# Altium PCB USB3.0HUB.PCBDOC (part 2 of 2)
Units mil, origin at the board's own origin, x right, y up, seen from the top; angles counter-clockwise.
Board outline 3976.38 x 2834.65 mil, 2 copper layers (Top Layer, Bottom Layer); 103 components, 87 nets, 409 pads, 1014 vias.
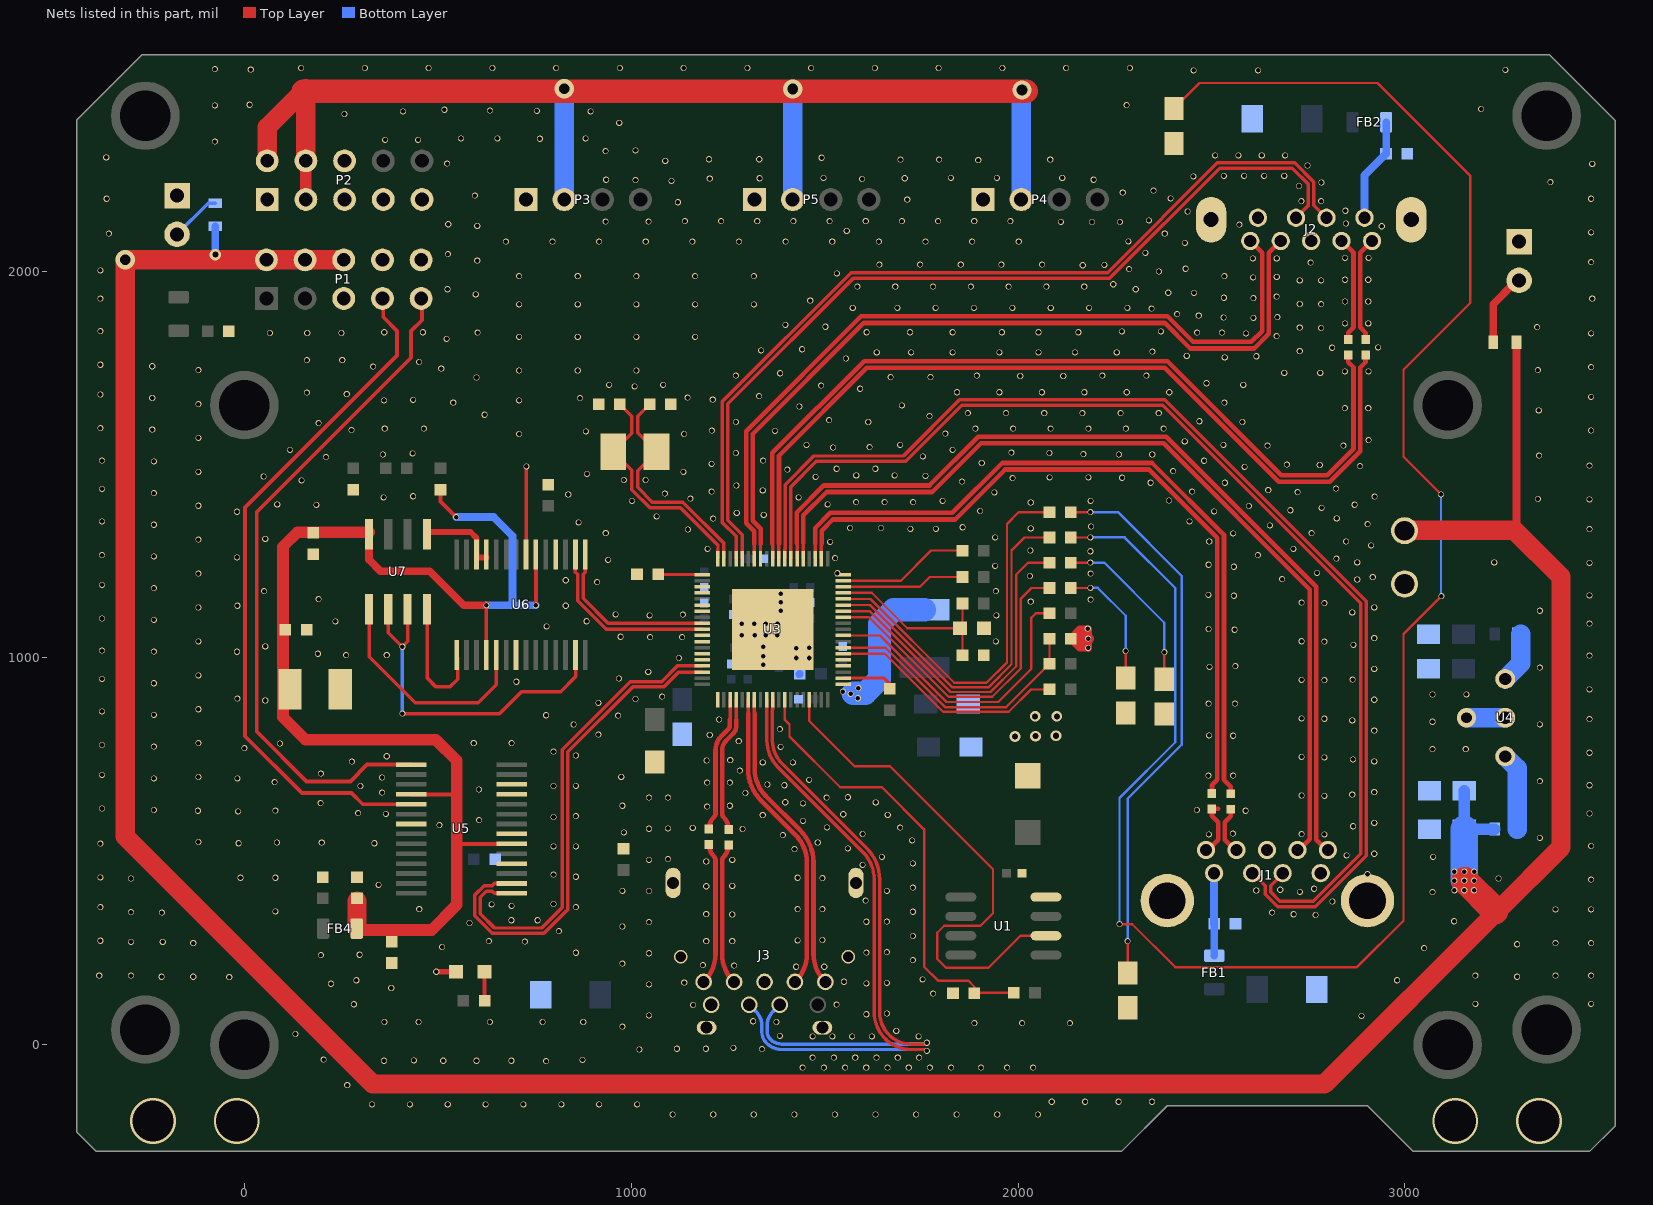
[diagram p2: the nets of this part, all layers, seen from the top]

## Via types
v1: diameter 15.75, hole 11.81, Top Layer to Bottom Layer, 991 vias
v2: diameter 27.56, hole 15.75, Top Layer to Bottom Layer, 7 vias
v3: diameter 50, hole 28, Top Layer to Bottom Layer, 5 vias
v4: diameter 118.11, hole 106.3, Top Layer to Bottom Layer, 4 vias
v5: diameter 30, hole 15, Top Layer to Bottom Layer, 3 vias
v6: diameter 20, hole 11.81, Top Layer to Bottom Layer, 2 vias
v7: diameter 35.43, hole 27.56, Top Layer to Bottom Layer, 2 vias

## Nets (pads, with @x,y where several pads share a name; then routed paths per layer and width w, separated by ;. In a path a pad name is that pad's centre, name@x,y a point inside that pad or via, vN(x,y) a via of type N, cw(c..) or ccw(c..) an arc to the next point about the centre after c; other vN are vias at no path point) (continued)
DGND: C1.1 C2.1 C3.1 C4.1 C8.1 C9.1 C10.1 C11.1 C14.1 C16.1 C17.1 C18.2 C19.2 C20.2 C21.1 C22.1 C23.1 C24.1 C25.1 C26.1 C27.2 C28.1 C29.1 C30.2 C31.1 C32.1 C33.1 C34.1 C35.1 C36.1 C37.2 C38.1 C39.2 C40.2 C41.1 C42.1 C43.1 C44.1 C47.1 C48.1 C49.1 C50.1 C51.1 C52.1 D1.2 D2.2 D3.2 D4.2 D5.2 J1.4 J1.7 J1.G1 J1.G2 J2.4 J2.7 J2.G1 J2.G2 J3.4 J3.7 J3.G1 J3.G2 P1.5 P1.8 P1.10 P2.5 P2.6 P2.7 P2.9 P3.1 P4.1 P5.1 P6.1 P7.1 POWER-SIP1.2 R2.1 R4.2 R7.2 R15.2 R18.2 U1.4 U2.2 U3.20 U3.57 U3.G1 U4.2 U5.7 U5.18 U5.21 U5.25 U5.26 U6.7 U6.18 U6.21 U6.25 U6.26 U7.5 | length 801
  Top Layer w10: U6.21@728.8,1259.92 v1(728.8,1495.2)
  Top Layer w15: U7.5@472.39,1325.47 584.53,1325.47 600.84,1309.16 600.84,1259.92 U6.25@626.43,1259.92 ; v1(496,189) U2.2@547.16,189
  Top Layer w20: C24.1@1911.11,1076.11 C24.1@1911.61,1076.61 ; R2.1@2136.11,1050.19 2159.3,1027 2180,1027 v1(2181,1026) v1(2181,1050.19) 2181,1074 2159.92,1074 R2.1@2136.11,1050.19
  Top Layer w30: R2.1@2136.11,1050.19 v1(2181,1050.19)
  Bottom Layer w20: C38.1@1434.74,958.02 C38.1@1435.61,958.89
  Bottom Layer w50: v3(3159.09,845.58) U4.2@3259.09,845.58
  other v1: 1107,-180 1211.89,-180 1316.78,-180 1421.67,-180 1526.56,-180 1631.44,-180 1736.33,-180 1841.22,-180 1946.11,-180 2051,-180 330,-154 427.86,-154 525.71,-154 623.57,-154 721.43,-154 819.29,-154 917.14,-154 1015,-154 2087,-147 2173.33,-147 2259.67,-147 2346,-147 266,-104 1443,-59 1497.86,-59 1552.71,-59 1607.57,-59 1662.43,-59 1717.29,-59 1772.14,-59 1827,-59 1904,-59 1971.5,-59 2039,-59 780,-42 361,-41 514,-41 600,-41 690,-41 438,-40 874,-39 205,-38 1469,-33 1524,-33 1579,-33 1634,-33 1689,-33 1744,-33 1021,-12 1338,-11 1118,-10 1193,-10 1264,-8 1469,22 1520,22 1571,22 1622,22 1743,22 1384,23 132,28 1685,36 977,47 1886.81,56.06 2010.4,56.06 2134,56.06 362,59 450.61,59.06 634.77,59 771.15,59 876,59 1375,59 1315,61 2887.61,75 1046,76 1608,79 1661,81 1160,103 1531,104 283,105 3182,106 3481,106 1780.12,132.41 379.61,147 1046,156.43 224,158 1608,158.75 1661,160.25 1137,161 1550,163 289.61,167 2979.61,167 1753.12,169.41 -39,175 -214,176 -132,176 3290,176 -375,179 -293,179 3182,179 3389,179 3481,179 1426,202 1499,202 1266,205 1185,206 977,210 1728,218.89 198,232 298,233 1046,236.86 857,238 1608,238.5 1661,239.5 3049.61,250 511,253 3290,260 -132,263 3389,263 3481,263 -293,266 -211,266 725,267 632,268 1194,268 1261,268 -372,269 1430,270 1494,271 1728,281.42 813,294 977,306 582,315 1046,317.29 1608,318.25 1661,318.75 3127.09,319.57 690,322 758,322 2769.09,335.57 1261,337 1194,338 2712.09,337.57 -213,342 2656.61,341.89 -293,343 1728,343.95 80,345 3389,350 3481,350 452,351 1430,351 1494,351 -372,356 857,356 690.61,359.06 639,363 799,364 2812.09,370.57 1606,373 3071.09,394.57 2728.09,395.57 977,398 1046,397.71 1661,398 2615.61,398.89 2677.61,400.89 2765.09,403.57 1728,406.48 1194,410 1261,411 347.09,413.57 3481,427 -293,430 3241.61,430 1494,431 -10,432 80,431.89 1430,432 -372,433 857,434.4 799,440 2903,441 1598,465 1728,469.01 1194,474 1046,478.14 1261,478 1095,480 1648,486 3072.61,486 2849.09,489.57 2920.61,494 1422,506 1560,508 799,513 857,512.8 3481,514 -372,520 -15,521 336,521 84,523 200.09,522.57 1482,523 -119,524.33 1726,528.54 3348.61,535 1392,542 2493,544 2791.61,543.89 1598,545 2732.61,544.89 2555,546 981.12,549.24 1288,558 1046,558.57 1095,559.5 1159,561 1506,562 1695,561.54 2866,565 504,568 2920.61,573.61 1444,579 607,581 799,589 857,591.2 1340,594 1663,594.54 1548,596 366,597 3477,598 294,599 -16,603.67 -120,605 2588,605 80,605.67 -234,607 2462,607 -368,611 1196,616 977,618 1255,618 1444,624 197,625 1398,627 1632,626.54 1046,639 1095,639 1505,639 1560,640 2791.61,643.56 2732.61,644.56 2863.61,646.89 1295,651 356,652 2920.61,653.22 606,660 300,669 799,669 857,669.6 1396,671 3477,671 1352,673 1196,678 1255,678 78,679 3348.61,681.75 1460,685 -234,688.93 -18,689 356,691 -119,692.29 974.09,692.57 2491.61,695.89 2555.61,695.89 -368,698 198,701 1281,709 1340,730 1418,730 278,732 2920.61,732.83 1195,735 1256,736 2865.61,737.89 2791.61,743.22 2732.61,744.22 368,746 857,748 3477,755 799,758 3071.09,764.57 3157.09,764.57 0,767 1386,770 -234,770.86 -368,775 92,779 -119,779.93 593,780 691,780 1278,785 2555.61,798.89 2493.61,799.89 1203,801 915,802 2920.61,812.44 1384,816 851,828 3348.61,828.5 3071.09,835.07 2863.61,838.89 1227,841 3477,842 2791.61,842.89 2732.61,843.89 966,851 780,852 -234,852.79 -368,862 -119,867.57 2492.61,881.89 2560.61,881.89 915,884 54,890 2920.61,892.06 1011,894 -18,895 1079.61,900.06 3071.09,905.57 3158.61,906 3477,919 -234,934.71 703.09,938.57 2791.61,942.56 2732.61,943.56 2864.61,943.89 -368,946 968,947 -119,955.21 1044,964 2920.61,971.67 3348.61,975.25 2494.61,976.89 2561.61,978.89 1341,982 1123,1000 1426,1000 1460,1000 1341,1005 3477,1006 263.09,1007.57 368.09,1007.57 190,1011 -19,1016 -234,1016.64 -368,1019 1426,1025 1460,1026 1341,1029 54,1030 2866.61,1033.89 2791.61,1042.22 -119,1042.86 1942.61,1042.89 2732.61,1043.22 2920.61,1051.28 1048.61,1053.89 1131.61,1054.06 972.61,1054.89 1286,1059 1319,1059 1348,1059 1377,1059 2559.61,1072.89 2492.61,1074.89 2180,1076 781.09,1081.57 1286,1088 1318,1088 1348,1088 1378,1088 3477,1089 235.09,1094.57 884.61,1094.89 -234,1098.57 -368,1102 1047.61,1109.89 1943.61,1109.89 1133.61,1111.89 959.61,1112.89 2863.61,1117.89 1386,1122 3348.61,1122 -119,1130.5 2920.61,1130.89 -18,1135 830.61,1134.89 2791.61,1141.89 2732.61,1142.89 1386,1144 2032.61,1145.89 2187.61,1150.89 192,1152 2557.61,1160.89 3477,1162 2491.61,1162.89 1386,1166 51,1173 1942.61,1172.89 -234,1180.5 -368,1189 912,1196 830.61,1200.89 2876.61,1202.89 2682.61,1203.89 2916.61,1209 2030.61,1211.89 -119,1218.14 2187.61,1217.89 1533,1219 2772.61,1219.89 2557.61,1235.89 1940.61,1237.89 2492.61,1240.89 3477,1246 2876.61,1247 3230.61,1247 940.09,1253.57 2822.61,1256.89 1527,1258 -19,1260 -234,1262.43 -368,1266 2619.61,1265.89 2186.61,1275.89 2031.61,1277.89 1197.61,1282.06 2711.61,1281.89 2912.61,1291 1514,1300 2494,1301 2847.61,1301 -119,1305.79 54,1308 1940.61,1311.89 2555.61,1321.89 934.09,1322.57 2758.61,1322.89 1146.61,1332.06 3477,1333 1721.61,1333.89 1787.61,1333.89 2032.61,1334.89 1565.61,1335.89 1645.61,1335.89 1856.61,1337.89 2188.61,1339.89 2650.61,1342.89 -234,1344.36 2903.61,1346 864.09,1350.57 -368,1353 2443,1353 1211.61,1360.06 2823.61,1361 1065.61,1366.06 1342.61,1370.06 1272.61,1375.06 -19,1378 2506.61,1378.89 1901.61,1379.89 2703.61,1381.89 2784.61,1388 2596.61,1392.89 -119,1393.43 186.09,1395.57 2869.61,1396 85,1397 1507.61,1397.06 2032.61,1401.89 1581.28,1403.06 1654.95,1403.06 1728.61,1403.06 1002,1406 1805,1406 2187.61,1405.89 2390,1407 3477,1410 3343.61,1411 1153,1412 360,1415 1432.61,1415.06 2921.61,1417 436,1418 837.09,1422.57 1087,1425 -234,1426.28 1938.61,1427.89 2722.61,1428.89 1207.61,1429.89 2449.61,1429.89 1340,1433 2646.61,1433.89 -368,1437 2821.61,1437.89 1271.61,1445.89 2342.61,1452.89 2534.61,1452.89 1855,1456 148,1459 981,1460 1037,1460 1985.61,1464.89 2268.61,1465.89 2081.61,1466.89 2181.61,1466.89 1476.61,1468.06 50,1469 1760.61,1470.89 1581.61,1471.89 1680.61,1471.89 885.61,1475.89 -119,1481.07 1134.61,1480.89 2400.61,1482.89 1403.61,1487.06 1531,1489 1631,1489 2585.61,1493.89 2883.61,1495.89 3477,1497 2779.61,1498.89 2694.61,1499.89 1207.61,1501.89 1906,1504 -234,1508.21 -368,1510 1341,1510 2480.61,1509.89 211,1519 1754,1521 3346.61,1523 358,1526 2260.61,1525.89 2346.61,1525.89 2168.61,1526.89 435,1529 1270.61,1529.89 2080.61,1529.89 1982.61,1530.89 118,1538 1830.61,1537.89 1522,1544 1616,1545 2644.61,1548.89 2840.61,1548.89 1453,1551 1695,1551 2530.61,1550.89 2430.61,1559.89 2906,1563 -119,1568.71 710,1579 1136.61,1578.89 1812,1580 882.61,1585.89 1371.61,1587.06 1208.61,1587.89 3481,1588 277,1589 -238,1590.14 363,1593 464,1593 1889.61,1592.89 1986.89,1592.89 2084.17,1592.89 2181.45,1592.89 2278.72,1592.89 2376,1592.89 -372,1594 192,1607 1270.61,1609.89 1612.61,1609.89 2579.61,1609.89 2468.61,1611.89 1511.61,1614.89 1771,1625 621.09,1628.57 1870,1632.89 1968.72,1632.89 2067.45,1632.89 2166.17,1632.89 2264.89,1632.89 2363.61,1632.89 3345.61,1640 2844.61,1645.89 2905,1646 1434.61,1650.06 1699.61,1652.89 -119,1656.36 540,1660 2533,1660 361,1666 710,1666 436,1667 1210.61,1667.89 -238,1672.07 867.61,1671.89 1145.61,1672.89 3481,1675 1330.61,1677.06 -372,1681 264.61,1682.06 161.61,1686.06 1842,1686.89 1951.72,1686.89 2061.45,1686.89 2171.17,1686.89 2280.89,1686.89 2390.61,1686.89 1591.61,1695.89 1008.61,1701.89 1490.61,1704.06 942.61,1705.89 1082.61,1705.89 2582,1706 2487,1710 600,1725 1670.61,1725.89 1773.61,1725.89 2005.61,1728.89 2116.61,1728.89 1270.61,1729.89 1893.61,1729.89 2217.61,1729.89 2331.61,1729.89 1384.61,1736.06 2688,1737 2781,1737 2844.61,1740.89 2905.61,1740.89 710,1743 861.75,1743 1013.5,1743 -119,1744 3343.61,1744 509,1748 3481,1752 333,1753 -238,1754 -372,1758 451.61,1765.06 161.61,1770.06 253,1770.06 1555,1774 2534,1777 2616,1780 2436,1781 1634.61,1789.89 1723.61,1789.89 1830.61,1789.89 1951.61,1789.89 2052.61,1789.89 2147,1789.89 2255,1789.89 2347,1792 2728,1793 1335.61,1794.89 1441.61,1798.06 2811.61,1801.89 2930.61,1802.89 523,1825 710,1830 861.75,1830 1013.5,1830 1165.25,1830 2668,1832 2589,1839 3481,1839 66,1840 162.61,1840 251,1840 603,1841 2462.61,1840.89 2527,1841 361.61,1842.06 461.61,1842.06 1608.61,1841.89 1720.61,1841.89 1830.61,1841.89 1958,1841.89 2052.61,1841.89 2155.61,1841.89 2268,1844 2369,1844 -372,1845 2783,1853 2728,1854 3341.61,1855 1501.61,1856.06 1398.61,1860.89 2845,1865 2905,1865 2608,1879 2531,1880 2670,1881 2467,1885 2411,1889 2345,1903 1572.61,1905.06 1687.74,1904.89 1786.86,1904.89 1885.99,1904.89 1985.11,1904.89 2084.24,1904.89 2183.36,1904.89 2282.49,1904.89 710,1914 861.75,1914 1013.5,1914 1165.25,1914 1317,1914 2728,1915 2783,1914.5 2845,1921.33 2905,1921.33 1462.61,1923.89 -372,1929 3484,1929 2608,1930 2532,1931 2668,1934 598,1940 2388,1944 2454.61,1943.89 525,1953 2304,1953 1584.61,1960 1682.35,1960 1780.08,1960 1877.81,1960 1975.54,1960 2073.27,1960 2171,1960 2246,1966 2728,1976 2783,1976 2845,1977.67 2905,1977.67 2607.61,1983.89 2668.61,1984.89 710,1987 861.75,1987 1013.5,1987 1165.25,1987 1317,1987 2533,1987 1531.61,1993.89 2364,1999 -372,2002 2287,2005 2433,2006 2167,2015 2223,2016 1641.61,2016.89 1746.69,2016.89 1851.77,2016.89 1956.85,2016.89 2061.92,2016.89 2756,2022 3481,2023 602,2027 2606.61,2032.89 2668.61,2032.89 2845,2034 2906,2034 526,2044 2329,2047 2431,2073 676,2076.06 796.51,2076.06 917.02,2076.06 1037.53,2076.06 1158.04,2076.06 1278.55,2076.06 1399.06,2076.06 1519.57,2076.06 1640.08,2076.06 1760.59,2076.06 1881.1,2076.06 2001.61,2076.06 2285,2077 -350,2097 2379,2097 3481,2100 1557,2104 2940,2116 602,2117 2572,2120 527,2121 2847,2123 2110.61,2127.06 2191,2127 2263,2127 933.61,2128.06 1045.11,2128.06 1138.61,2129.06 1232.11,2129.06 1325.61,2129.06 1419.11,2129.06 1512.61,2129.06 1606.11,2129.06 1699.61,2129.06 1793.11,2129.06 1886.61,2129.06 1980.11,2129.06 2338,2131 2438,2154 2846,2156 1120.5,2177.89 2732,2181 2783,2181 1713.5,2184.89 -356,2187 3481,2187 2394,2188 596,2195 2270.5,2202.89 2350,2208 2726,2220 2784,2229 3375.61,2230 1104,2233 1011,2235 935,2236 2195,2236 1597,2238 1203,2239 1332,2240 1707,2240 1497,2241 1826,2241 1945,2241 2114,2241 2453,2245 2532,2246 2584,2246 2636,2246 2688,2246 2748,2273 3484,2277 524,2278 1088,2285 1897,2287 1696,2288 1796,2288 2083,2288 1201,2289 1331,2289 1492,2293 -357,2294 2509,2299 2569.33,2299 2629.67,2299 2690,2299 934,2310 1011,2312 -76.39,2334.89 364,2339 449,2339 764,2342 560,2343 654,2343 882,2343 969,2383 258.61,2406 410,2413 895,2413 756,2414 635,2415 517,2417 3196.61,2419 -76.39,2428.39 2280.5,2428.89 13.61,2429.89 2453.5,2518.89 2620.5,2518.89 3259.61,2520 16.61,2520.89 -76.39,2521.89 146.61,2524.89 311.39,2524.89 476.17,2524.89 640.95,2524.89 805.73,2524.89 970.5,2524.89 1135.28,2524.89 1300.06,2524.89 1464.84,2524.89 1629.61,2524.89 1794.39,2524.89 1959.17,2524.89 2123.95,2524.89 2288.72,2524.89
  other v2: 1992,797 2045,798 2098,799 2044,849 2100,849
  other v4: -236.22,-196.85 -19.69,-196.85 3129.92,-196.85 3346.46,-196.85
  other v7: 1127.95,227.6 1561.02,227.6
EXTPWRON: R12.2 U3.47 | length 777
  Top Layer w6: U3.47@1547.78,1058.14 1571.61,1058.14 1571.76,1058 1643,1058 1815,886 1948.5,886 2034.11,971.61 2034.11,1103.61 2045.97,1115.47 R12.2@2081.11,1115.47
GRN1: R3.1 U3.53 | length 1015.3
  Top Layer w6: U3.53@1547.78,1152.63 1618.37,1152.63 1835,936 1918.5,936 1971.11,988.61 1971.11,1346.61 2001.11,1376.61 R3.1@2081.11,1376.61
GRN2: R5.1 U3.52 | length 954.2
  Top Layer w6: U3.52@1547.78,1136.88 1617.15,1136.88 1830.03,924 1923.47,924 1983.11,983.64 1983.11,1277.61 2016.82,1311.33 R5.1@2081.11,1311.33
GRN3: R9.1 U3.51 | length 897.1
  Top Layer w6: U3.51@1547.78,1121.13 1615.93,1121.13 1825.06,912 1928.44,912 1995.11,978.67 1995.11,1215.61 2025.54,1246.04 R9.1@2081.11,1246.04
GRN4: R10.1 U3.50 | length 840.1
  Top Layer w6: U3.50@1547.78,1105.39 1614.7,1105.39 1820.09,900 1933.41,900 2007.11,973.7 2007.11,1153.61 2034.25,1180.76 R10.1@2081.11,1180.76
GYRO_RXD: P1.7 U5.5 | length 1811
  Top Layer w10: P1.7@359.06,1929.13 359.06,1880.94 395,1845 395,1782 2,1389 2,797.57 148.57,651 277,651 306.02,621.98 U5.5@431.08,621.98
GYRO_TXD: P1.9 U5.1 | length 1766.5
  Top Layer w10: U5.1@431.08,724.34 317.34,724.34 274,681 161,681 32,810 32,1377 431.06,1776.06 431.06,1845.06 459.06,1873.06 P1.9@459.06,1929.13
NetD1_1: D1.1 R3.2 | length 1439.4
  Top Layer w6: R3.2@2136.11,1376.61 2186.61,1376.61 v1(2187,1377) ; D1.1@2283,186 v1(2283,268)
  Bottom Layer w6: v1(2187,1377) 2258,1377 2423,1212 2423,776 2283.02,636.02 v1(2283,268)
NetD2_1: D2.1 R5.2 | length 5051.8
  Top Layer w6: R5.2@2136.11,1311.33 2186.61,1311.33 v1(2187,1311.71) ; v1(2262,312) 2295,312 2406,201 2876,201 2996,321 2996,1062 v1(3094,1160) ; D2.1@2403,2420 2469,2486 2929,2486 3169,2246 ; v1(3093,1423) 2996,1520 2996,1745 3169,1918 3169,2244.67
  Bottom Layer w6: v1(2187,1311.71) 2275.29,1311.71 2406,1181 2406,782 2262,638 v1(2262,312) ; v1(3093,1423) 3093,1161 v1(3094,1160)
NetD3_1: D3.1 R9.2 | length 452.4
  Top Layer w6: R9.2@2136.11,1246.04 2184,1246.04 2184.39,1246.43 v1(2187,1246.43) ; D3.1@2378,945 v1(2378,1015)
  Bottom Layer w6: v1(2187,1246.43) 2222.57,1246.43 2378,1091 v1(2378,1015)
NetD4_1: D4.1 R10.2 | length 332.9
  Top Layer w6: R10.2@2136.11,1180.76 2184,1180.76 2184.39,1181.14 v1(2187,1181.14) ; D4.1@2278,948 v1(2278,1018)
  Bottom Layer w6: v1(2187,1181.14) 2205.86,1181.14 2278,1109 v1(2278,1018)
NetF1_1: F1.1 U4.1 | length 200.8
  Bottom Layer w50: U4.1@3259.09,745.57 3290.06,714.61 F1.1@3290.06,557.57
NetF2_1: F2.1 U4.3 | length 132.6
  Bottom Layer w50: U4.3@3259.09,945.57 3299.09,985.57 F2.1@3299.09,1061.57
NetF5_2: F5.2 P6.2 | length 172.5
  Top Layer w20: F5.2@3228.09,1815.57 3228.09,1914.57 P6.2@3280.09,1966.57
NetF6_2: F6.2 P7.2 | length 132.5
  Bottom Layer w9: P7.2@-174,2095 -93.43,2175.57 F6.2@-74.91,2175.57
NetL1_1: L1.1 U3.39 | length 356.9
  Bottom Layer w60: v1@1574,909 1574.39,908.61 1604.61,908.61 1642,946 1642,1088 1678.8,1124.8 L1.1@1758,1124.8
  other v1: 1586,896 1567,907 1547,913 1587,922
NetR11_2: R11.2 U2.1 | length 75.1
  Top Layer w10: U2.1@620.84,189 621,188.84 R11.2@621,114
NetR17_2: R17.2 U3.40 | length 135.7
  Top Layer w8: U3.40@1547.78,947.91 1653.6,947.91 R17.2@1674.75,926.75
NetU6_13: U6.13 U7.2 U7.3 | length 918.8
  Top Layer w9: U7.2@372.39,1120.75 372.39,1065.11 v1(408.39,1029.11) 422.39,1043.11 U7.3@422.39,1120.75 ; v1(408.39,856.11) 659.39,856.11 716.39,913.11 817.39,913.11 856.39,952.11 U6.13@856.39,1006.11
  Bottom Layer w9: v1(408.39,856.11) v1(408.39,1029.11)
OVCUR1: R1.2 R2.2 U3.45 | length 708.6
  Top Layer w6: U3.45@1547.78,1026.65 1657.35,1026.65 1811,873 1969.21,873 R1.2@2081.11,984.9 R2.2@2081.11,1050.19
OVCUR2B: R16.2 U3.44 | length 623.2
  Top Layer w6: U3.44@1547.78,1010.9 1656.1,1010.9 1806,861 1976,861 2033.61,918.61 R16.2@2085,918.61
P5V_DP1: C9.2 FB1.1 J1.1 | length 210.8
  Bottom Layer w20: J1.1@2506.2,440.74 2506.2,313.8 C9.2@2507,313 FB1.1@2507,230.31
P5V_DP2: C10.2 FB2.1 J2.1 | length 270.4
  Bottom Layer w20: J2.1@2895.31,2137.84 2895.31,2247.31 C10.2@2951,2303 2951.31,2303.31 FB2.1@2951.31,2385
PWREN1: U3.43
PWREN2B: U3.42
RST_OUT: C24.2 R4.1 R8.2 U3.54 | length 474
  Top Layer w6: U3.54@1547.78,1168.38 1621.62,1168.38 1713.39,1076.61 C24.2@1849.61,1076.61 ; R4.1@1856.11,1006.61 R8.2@1856.11,1140.81
RXD: U6.5 U7.1 | length 584.4
  Top Layer w9: U7.1@322.39,1120.75 322.39,1003.11 441.39,884.11 604.39,884.11 651.41,931.13 U6.5@651.41,1000.11
SMCLK/TX: R14.2 U3.55 | length 318.7
  Top Layer w6: U3.55@1547.78,1184.13 1746.62,1184.13 1771.71,1209.21 R14.2@1856.11,1209.21
SMDAT/RX: R13.2 U3.56 | length 340.5
  Top Layer w6: U3.56@1547.78,1199.87 1697.37,1199.87 1775.11,1277.61 R13.2@1856.11,1277.61
SPISO: U1.2 U3.35 | length 1359.9
  Top Layer w6: U3.35@1460.1,891.72 1460.1,836.9 1577,720 1669,720 1935,454 1935,340 1903,308 1809,308 1791,290 1791,222 1814,199 1923,199 2006,282 U1.2@2072,282
SSREXT: R15.1 U3.1 | length 113.4
  Top Layer w8: R15.1@1070,1215.62 U3.1@1183.45,1215.62
SSRX0_N: J3.8 U3.25 | length 791.3
  Top Layer w9: 1302,857.49 cw(c1304.13,857.49) 1302.62,859 U3.25@1302.62,891.72
  Top Layer w12: 1302,857.49 1302,713.43 ccw(c1419,713.43) 1336.26,630.69 1424.71,542.25 cw(c1354,471.54) 1454,471.54 1454,234.83 cw(c1354,234.83) 1424.71,164.12 J3.8@1423.23,162.64
SSRX0_P: J3.9 U3.26 | length 791.4
  Top Layer w9: U3.26@1318.37,891.72 1318.37,859 cw(c1316.86,857.49) 1319,857.49
  Top Layer w12: 1319,857.49 1319,713.43 ccw(c1419,713.43) 1348.29,642.71 1436.73,554.27 cw(c1354,471.54) 1471,471.54 1471,235.03 ccw(c1571,235.03) 1500.29,164.32 J3.9@1501.97,162.64
SSRX1_N: J1.5 U3.63 | length 2405.7
  Top Layer w9: U3.63@1428.61,1256.05 1428.61,1301
  Top Layer w12: 1427.98,1297 1427.98,1376.03 1497.96,1446 1771,1446 1896.98,1571.98 2383.06,1571.98 2771,1184.04 2771,530.28 J1.5@2801.48,499.8
SSRX1_P: J1.6 U3.62 | length 2348.7
  Top Layer w9: U3.62@1444.35,1256.05 1444.35,1300
  Top Layer w12: 1444.98,1297 1444.98,1368.98 1505,1429 1778.04,1429 1904.02,1554.98 2376.02,1554.98 2754,1177 2754,531.05 J1.6@2722.74,499.8
SSRX2_N: J2.5 U3.70 | length 2080.5
  Top Layer w9: 1317.62,1294.5 1318.11,1294 1318.11,1256.31 U3.70@1318.37,1256.05
  Top Layer w12: 1317.62,1294.5 1317.62,1327.38 1297.02,1347.98 1297.02,1586.06 1593.96,1883 2386.04,1883 2452.04,1817 2603,1817 2630.91,1844.91 2630.91,2047.13 J2.5@2600.04,2078
SSRX2_P: J2.6 U3.69 | length 2080.4
  Top Layer w9: U3.69@1334.12,1256.05 1334.12,1294 1334.62,1294.5
  Top Layer w12: 1334.62,1294.5 1334.62,1334.43 1314.02,1355.02 1314.02,1579.02 1601,1866 2379,1866 2445,1800 2610.04,1800 2647.91,1837.87 2647.91,2047.13 J2.6@2678.78,2078
SSRX3_N: U3.7
SSRX3_P: U3.6
SSRX4_N: U3.15
SSRX4_P: U3.14
SSTX0_N: C15.1 U3.22 | length 351.4
  Top Layer w9: 1254.75,840.49 cw(c1256.89,840.49) 1255.38,842 U3.22@1255.38,891.72
  Top Layer w12: C15.1@1200.88,557.59 cw(c1245.06,557.59) 1213.82,588.83 ccw(c1203.87,598.78) 1217.94,598.78 1217.94,761.64 cw(c1269.36,761.64) 1233,798 1251.04,816.04 ccw(c1242.08,825) 1254.75,825 1254.75,840.49
SSTX0_P: C7.1 U3.23 | length 351.9
  Top Layer w9: U3.23@1271.13,891.72 1271.13,842.17 cw(c1269.61,840.66) 1271.75,840.66
  Top Layer w12: C7.1@1252,557 ccw(c1208.81,557) 1239.35,587.54 cw(c1249.99,598.18) 1234.94,598.18 1234.94,761.64 cw(c1269.36,761.64) 1245.02,785.98 1263.06,804.02 ccw(c1242.08,825) 1271.75,825 1271.75,840.66
SSTX0E_N: C15.2 J3.5 | length 368
  Top Layer w12: J3.5@1187.01,162.64 1188.65,164.28 ccw(c1117.94,234.99) 1217.94,234.99 1217.94,476.41 ccw(c1202.43,476.41) 1213.4,487.37 cw(c1243.62,517.59) C15.2@1200.88,517.59
SSTX0E_P: C7.2 J3.6 | length 367.4
  Top Layer w12: C7.2@1252,517 cw(c1208.28,517) 1239.19,486.08 ccw(c1249.46,475.82) 1234.94,475.82 1234.94,234.87 ccw(c1334.94,234.87) 1264.23,164.16 J3.6@1265.75,162.64
SSTX1_N: C12.1 U3.60 | length 1960.1
  Top Layer w9: 1475.22,1295.63 1475.85,1295 U3.60@1475.85,1256.05
  Top Layer w12: 1475.22,1295.63 1475.22,1336.04 1514.18,1375 1830,1375 1959,1504 2346.04,1504 2532,1318.04 2532,684.89 2550,666.89 C12.1@2550,649
SSTX1_P: C5.1 U3.59 | length 1901.1
  Top Layer w9: U3.59@1491.6,1256.05 1491.6,1295 1492.22,1295.63
  Top Layer w12: 1492.22,1295.63 1492.22,1329 1521.22,1358 1837.04,1358 1966.04,1487 2339,1487 2515,1311 2515,685 2501,671 C5.1@2501,650
SSTX1E_N: C12.2 J1.8 | length 128.5
  Top Layer w12: C12.2@2550,609 2550,590.89 2534.39,575.28 2534.39,530.66 J1.8@2565.26,499.8
SSTX1E_P: C5.2 J1.9 | length 145.8
  Top Layer w12: J1.9@2486.52,499.8 2517.39,530.66 2517.39,575.5 2501,591.89 C5.2@2501,610 2517,610
SSTX2_N: C13.1 U3.67 | length 2272.6
  Top Layer w9: 1364.92,1295.56 1365.48,1295 1365.48,1256.18 U3.67@1365.61,1256.05
  Top Layer w12: 1364.92,1295.56 1364.92,1530.04 1601.88,1767 2386.04,1767 2680.52,1472.52 2798.52,1472.52 2867,1541 2867,1750.89 2853,1764.89 C13.1@2853,1783
SSTX2_P: C6.1 U3.66 | length 2272.6
  Top Layer w9: U3.66@1381.36,1256.05 1381.36,1295 1381.92,1295.56
  Top Layer w12: 1381.92,1295.56 1381.92,1523 1608.92,1750 2379,1750 2673.48,1455.52 2805.56,1455.52 2884,1533.96 2884,1750.89 2898,1764.89 C6.1@2898,1783
SSTX2E_N: C13.2 J2.8 | length 273.6
  Top Layer w12: J2.8@2836.1,2078 2867,2047.1 2867,1854.89 2853,1840.89 C13.2@2853,1823
SSTX2E_P: C6.2 J2.9 | length 273.6
  Top Layer w12: C6.2@2898,1823 2898,1840.89 2884,1854.89 2884,2047 J2.9@2915,2078
SSTX3_N: U3.4
SSTX3_P: U3.3
SSTX4_N: U3.12
SSTX4_P: U3.11
SSX_N: C35.2 U3.76 Y1.2 | length 590.6
  Top Layer w9: C35.2@970.61,1655.89 1001.61,1624.89 1001.61,1580.99 Y1.2@953.51,1532.89 1001.61,1484.79 1001.61,1434.79 1048.4,1388 1127.29,1388 1224.26,1291.03 1224.26,1281.26 ; U3.76@1223.88,1256.05 1223.88,1280.89
SSX_P: C34.2 U3.75 Y1.1 | length 591.4
  Top Layer w9: C34.2@1047.61,1655.89 1016.61,1624.89 1016.61,1581.99 Y1.1@1065.72,1532.89 1016.61,1483.79 1016.61,1441 1054.61,1403 1133.5,1403 1239.26,1297.25 1239.26,1281.26 ; U3.75@1239.63,1256.05 1239.63,1280.89
TXD: U6.1 U7.4 | length 324.4
  Top Layer w9: U7.4@472.39,1120.75 472.39,948.11 495.39,925.11 531.39,925.11 551.39,945.11 U6.1@551.39,1000.11
USB1_5V: C48.2 C49.2 C50.2 C51.2 C52.2 FB4.1 R20.1 U5.4 U5.20 U6.4 U6.20 U7.8 | length 3431.1
  Top Layer w10: U5.4@431.08,647.57 546.57,647.57 549,650 ; R20.1@507.39,1428.8 507.39,1404.11 v1(547.39,1364.11) ; 549,521 550.39,519.61 U5.20@690.92,519.61 ; U6.4@625.39,1000.54 v1(625.39,1136.11) ; v1(753.39,1136.11) 753.39,1265.72 U6.20@753.77,1266.11
  Top Layer w20: FB4.1@290.4,300.57 FB4.1@291.09,301.27 ; U7.8@322.39,1325.47 322.39,1253.61 352,1224 479,1224 566.89,1136.11 v1(625.39,1136.11) ; C50.2@381.09,266.57 381.09,297
  Top Layer w30: FB4.1@295.09,297 381.09,297 484,297 549,362 549,521 549,650 549,735 495,789 158,789 100,847 100,1288 137.31,1325.31 322.23,1325.31 U7.8@322.39,1325.47
  Top Layer w50: FB4.1@291.09,301.27 C49.2@291.09,371.57
  Bottom Layer w20: v1(547.39,1364.11) 644.39,1364.11 693.39,1315.11 693.39,1140.11 ; v1(625.39,1136.11) 692.39,1136.11 v1(753.39,1136.11)
USBDP_N: J3.2 U3.29 | length 1598.2
  Top Layer w9: U3.29@1365.61,891.72 1365.61,867.76 cw(c1364.74,867.76) 1364.74,866.89 1364.74,786.57 ccw(c1447.57,786.57) 1389,728 1608.61,508.39 cw(c1528,427.78) 1642,427.78 1642,84 ccw(c1724,84) 1724,2 1760.63,2 ccw(c1760.63,5.37) v1(1764,5.37)
  Bottom Layer w9: J3.2@1383.86,103.58 1366.49,86.21 ccw(c1402.7,50) 1351.49,50 1351.49,34.55 ccw(c1380.55,34.55) 1360,14 ccw(c1388.97,42.97) 1388.97,2 1763,2 ccw(c1760.59,4.41) 1764,4.41 v1(1764,5.37)
USBDP_P: J3.3 U3.28 | length 1642.2
  Top Layer w9: U3.28@1349.87,891.72 1349.87,867.76 ccw(c1350.74,867.76) 1350.74,866.89 1350.74,786.57 ccw(c1447.57,786.57) 1379.1,718.1 1598.71,498.49 cw(c1528,427.78) 1628,427.78 1628,84 ccw(c1724,84) 1724,-12 1760.63,-12 cw(c1760.63,-15.37) v1(1764,-15.37)
  Bottom Layer w9: J3.3@1305.12,103.58 1322.49,86.21 cw(c1286.28,50) 1337.49,50 1337.49,34.55 ccw(c1380.55,34.55) 1350.1,4.1 ccw(c1388.97,42.97) 1388.97,-12 1763,-12 cw(c1760.59,-14.41) 1764,-14.41 v1(1764,-15.37)
USBHP1_N: J1.2 U3.65 | length 3055.4
  Top Layer w9: U3.65@1397.11,1256.05 1397.11,1280.89 1397.98,1281.76 1397.98,1447.85 1472.19,1522.06 1703.61,1522.06 1848.61,1667.06 2379.41,1667.06 2899.61,1146.85 2899.61,488.3 2768.37,357.06 2670.81,357.06 2638.61,389.26 2638.61,411.06 2608.93,440.74 J1.2@2604.63,440.74
USBHP1_P: J1.3 U3.64 | length 2959.4
  Top Layer w9: U3.64@1412.86,1256.05 1412.86,1280.89 1411.98,1281.76 1411.98,1442.06 1477.98,1508.06 1709.41,1508.06 1854.41,1653.06 2373.61,1653.06 2885.61,1141.06 2885.61,494.09 2762.58,371.06 2676.61,371.06 2652.61,395.06 2652.61,411.06 2682.3,440.74 J1.3@2683.37,440.74
USBHP2_N: J2.2 U3.73 | length 2332.5
  Top Layer w9: U3.73@1271.13,1256.05 1271.13,1314.54 1235.61,1350.06 1235.61,1662.85 1568.81,1996.06 2231.26,1996.06 2515.2,2280 2714.8,2280 2764.52,2230.28 2764.52,2170.21 J2.2@2796.89,2137.84
USBHP2_P: J2.3 U3.72 | length 2286.8
  Top Layer w9: U3.72@1286.87,1256.05 1286.87,1318.59 1249.61,1355.85 1249.61,1657.06 1574.61,1982.06 2237.06,1982.06 2521,2266 2709,2266 2750.52,2224.48 2750.52,2170.21 J2.3@2718.15,2137.84
USBHP3_N: U3.10 U6.16 | length 472.8
  Top Layer w9: U6.16@855.75,1265.92 855.75,1221.89 861.54,1216.09 861.54,1148.26 935.91,1073.89 U3.10@1183.45,1073.89
USBHP3_P: U3.9 U6.15 | length 448.9
  Top Layer w9: U6.15@881.34,1265.92 881.34,1221.89 875.54,1216.09 875.54,1154.06 939.96,1089.64 U3.9@1183.45,1089.64
USBHP4_N: U3.17 U5.16 | length 1287.1
  Top Layer w9: U5.16@690.92,417.25 646.61,417.25 640.82,411.46 619.81,411.46 595.61,387.26 595.61,333.26 636.71,292.16 640.81,288.06 774.41,288.06 778.51,292.16 831.51,345.16 835.61,349.26 835.61,757.26 1003.41,925.06 1084.41,925.06 1123.01,963.65 U3.17@1183.45,963.65
USBHP4_P: U3.16 U5.15 | length 1241.5
  Top Layer w9: U5.15@690.92,391.66 646.61,391.66 640.82,397.46 625.61,397.46 609.61,381.46 609.61,339.06 646.61,302.06 768.61,302.06 821.61,355.06 821.61,763.06 997.61,939.06 1078.61,939.06 1118.96,979.4 U3.16@1183.45,979.4
V18: P2.1 P2.2 P2.3 P2.4 P3.2 P4.2 P5.2 | length 3227.3
  Top Layer w30: P2.3@159.06,2185.04 P2.4@159.06,2285.04
  Top Layer w50: P2.2@59.06,2285.04 59.06,2372 152.06,2465 ; P2.4@159.06,2285.04 159.06,2472
  Top Layer w60: 152.06,2465 v3@2021,2465
  Bottom Layer w50: P3.2@826.77,2185.04 v3(826.77,2471.23) ; P5.2@1417.32,2185.04 v3(1417.32,2470.68) ; P4.2@2007.87,2185.04 v3@2007.87,2466.13
  other v3: 2010,2468
V_PC_AF_SW: C41.2 C43.2 F1.2 F5.1 F6.1 P1.2 P1.4 P1.6 POWER-SIP1.1 | length 8425.9
  Top Layer w20: 3283.08,1329.92 3288.09,1334.94 F5.1@3288.09,1815.57
  Top Layer w50: P1.6@257,2029.13 P1.4@157,2029.13 P1.2@57,2029.13 v3(-307.87,2029.13) -307.87,538.87 332,-101 2792,-101 3239.57,346.57 ; POWER-SIP1.1@2998,1329.92 3283.08,1329.92 3403.09,1209.91 3403.09,510.09 3239.57,346.57 ; 3233.09,346.57 3239.57,346.57
  Top Layer w70: v1@3155.09,424.57 3233.09,346.57
  Bottom Layer w20: v5(-74.91,2042.57) F6.1@-74.91,2115.57
  Bottom Layer w30: C41.2@3153.09,657.07 C43.2@3153.09,557.57 F1.2@3232.13,557.57
  Bottom Layer w70: v1@3153.09,426.57 C43.2@3153.09,557.57
  other v1: 3127.61,399.61 3153.11,399.61 3178.61,399.61 3127.61,424.61 3153.11,424.61 3178.61,424.61 3127.61,447.61 3153.61,447.61 3178.61,447.61
VBUSDET: R6.2 R7.1 U3.31 | length 1170.6
  Top Layer w6: U3.31@1397.11,891.72 1397.11,839.89 1409,828 1409,797 1540,666 1648,666 1757,557 1757,202 1793,166 1871,166 1886.61,150.39 R7.1@1886.61,133.89 ; R7.1@1887.61,134.89 R6.2@1988.61,134.89
pads on no net: FB1.0 FB2.0 FB3.0 FB4.0 U3.21 U5.2 U5.3 U5.6 U5.8 U5.9 U5.10 U5.11 U5.12 U5.13 U5.14 U5.19 U5.22 U5.23 U5.24 U5.27 U5.28 U6.2 U6.3 U6.6 U6.8 U6.9 U6.10 U6.11 U6.12 U6.14 U6.19 U6.22 U6.23 U6.24 U6.27 U6.28

## Polygon pours and split planes (outlines as drawn)
ADAPTERIN on Top Layer "ADAPTERIN" (solid, remove dead copper, pour order 24): 1503,914 1503,854.36 1587,772.24 1597,762.46 1683,762.46 1691,762.46 1713,740.96 1715,739 1803,739 1803,810.37 1802,811.35 1619,811.35 1515,913.02 1503,913.02
NetL1_1 on Top Layer "NetL1_1" (solid, remove dead copper, pour order 21): 1528,937 1528,916 1528,915 1556.81,887 1561.96,882 1597.97,882 1597.97,936 1599,937
ADAPTERIN on Top Layer "ADAPTERIN" (solid, remove dead copper, pour order 23): 1208,937 1208,914.83 1185,891.65 1101,807 1045,807 1025,807 1025,878.55 1105,878.55 1163,937 1177,937
DGND on Top Layer "DGND" (solid, remove dead copper, pour order 28): -413.39,2559 -412.44,2560 3523,2560 3523,-275.59 -413.39,-275.59 -413.39,2559
1_2V on Bottom Layer "1_2V" (solid, remove dead copper, pour order 25): 1688,1006 1827,1006 1827,941.25 1827,940 1796,909 1796,846.22 1724.22,846.22 1672,794 1560,794 1559,794 1494,859 1494,917 1474,937 1474,977 1523,977 1523,898 1523,889.86 1575,837.86 1575.14,838 1618,838 1623,838 1689,904 1689,1006
ADAPTERIN on Bottom Layer "ADAPTERIN" (solid, remove dead copper, pour order 26): 1803.02,808 1712.65,808 1693,788 1693,750 1693,749 1707.73,734 1804,734 1804,808 1803.02,808
NetL1_1 on Bottom Layer "NetL1_1" (solid, remove dead copper, pour order 20): 1528,937 1528,916 1528,915 1556.81,887 1561.96,882 1597.97,882 1597.97,936 1599,937
DGND on Bottom Layer "DGND" (solid, remove dead copper, pour order 27): -413.39,2559.06 3523.62,2559.06 3523.62,-275.59 -413.39,-275.59 -413.39,2559.06

## Keep-outs
Keep-Out Layer:
  circle w5: c0,1653.54 r90.55
  circle w5: c0,0 r90.55
  circle w5: c3110.24,0 r90.55
  circle w5: c3110.24,1653.54 r90.55
  circle w5: c-255.91,2401.57 r90.55
  circle w5: c3366.14,2401.57 r90.55
  circle w5: c3366.14,39.37 r90.55
  circle w5: c-255.91,39.37 r90.55
  lines w3.94: -433.07,2390.49 -433.07,-225.4 -382.88,-275.59 2267.12,-275.59 ; -432.99,2390.49 -264.43,2559.06 3373.61,2559.06 3543.31,2389.36 3543.31,-209.4 3477.12,-275.59 3021.12,-275.59 ; 2385.23,-157.48 2903.01,-157.48
  lines w4: 2267.12,-275.59 2385.23,-157.48 ; 2903.01,-157.48 3021.12,-275.59

## Other copper
Top Layer:
  region net ADAPTERIN: -146.61,1821.11 -146.61,1872.11 -197.61,1872.11 -197.61,1821.11
  region net +5V_MIDDLE: -146,1905 -146,1956 -197,1956 -197,1905
  rectangle net DGND: 1812,2152 1942,2221
  rectangle net DGND: 1223,2151 1353,2220
  region net DGND: 694,2281 694,2151 763,2151 763,2281
  rectangle net ADAPTERIN: 895,174 947,225
  region net ADAPTERIN: 2091.61,571.89 2091.61,520.89 2142.61,520.89 2142.61,571.89
  rectangle net V18: 11,2139 202.09,2331
  rectangle net V_PC_AF_SW: 3113.09,386.57 3195.09,463.57
Bottom Layer:
  region net ADAPTERIN: -146,1821 -146,1872 -197,1872 -197,1821
  region net DGND: 763,2152 763,2282 694,2282 694,2152
  rectangle net DGND: 1223,2151 1353,2220
  rectangle net DGND: 1815,2152 1945,2221
  rectangle net ADAPTERIN: 895,174 947,225
  rectangle net V_PC_AF_SW: 3113.09,386.57 3195.09,463.57
  rectangle net V18: 11.09,2138.57 202.09,2330.57

## Text inside footprints (layer, text, board x,y; h text height)
J2: Top Overlay "USB_A_3.0" at 2881.18,2228.12 h30 r180
J3: Top Overlay "USB_B_3.0" at 1215.01,411.64 h30
POWER-SIP1: Top Overlay "-" at 3020,1065 h50 r90; Top Overlay "+" at 3020,1411 h50 r90; Top Overlay "VIN" at 2867,1278 h50 r90; Top Overlay "GND" at 2864,1113 h50 r90; Bottom Overlay "VIN" at 2891,1295 h30 r270; Bottom Overlay "GND" at 2891,1147 h30 r270; Bottom Overlay "+" at 3020,1411 h50 r90; Bottom Overlay "-" at 3020,1065 h50 r90